# Altium PCB UHF_RFID_PROJECT.PcbDoc (part 1 of 3) (continued)
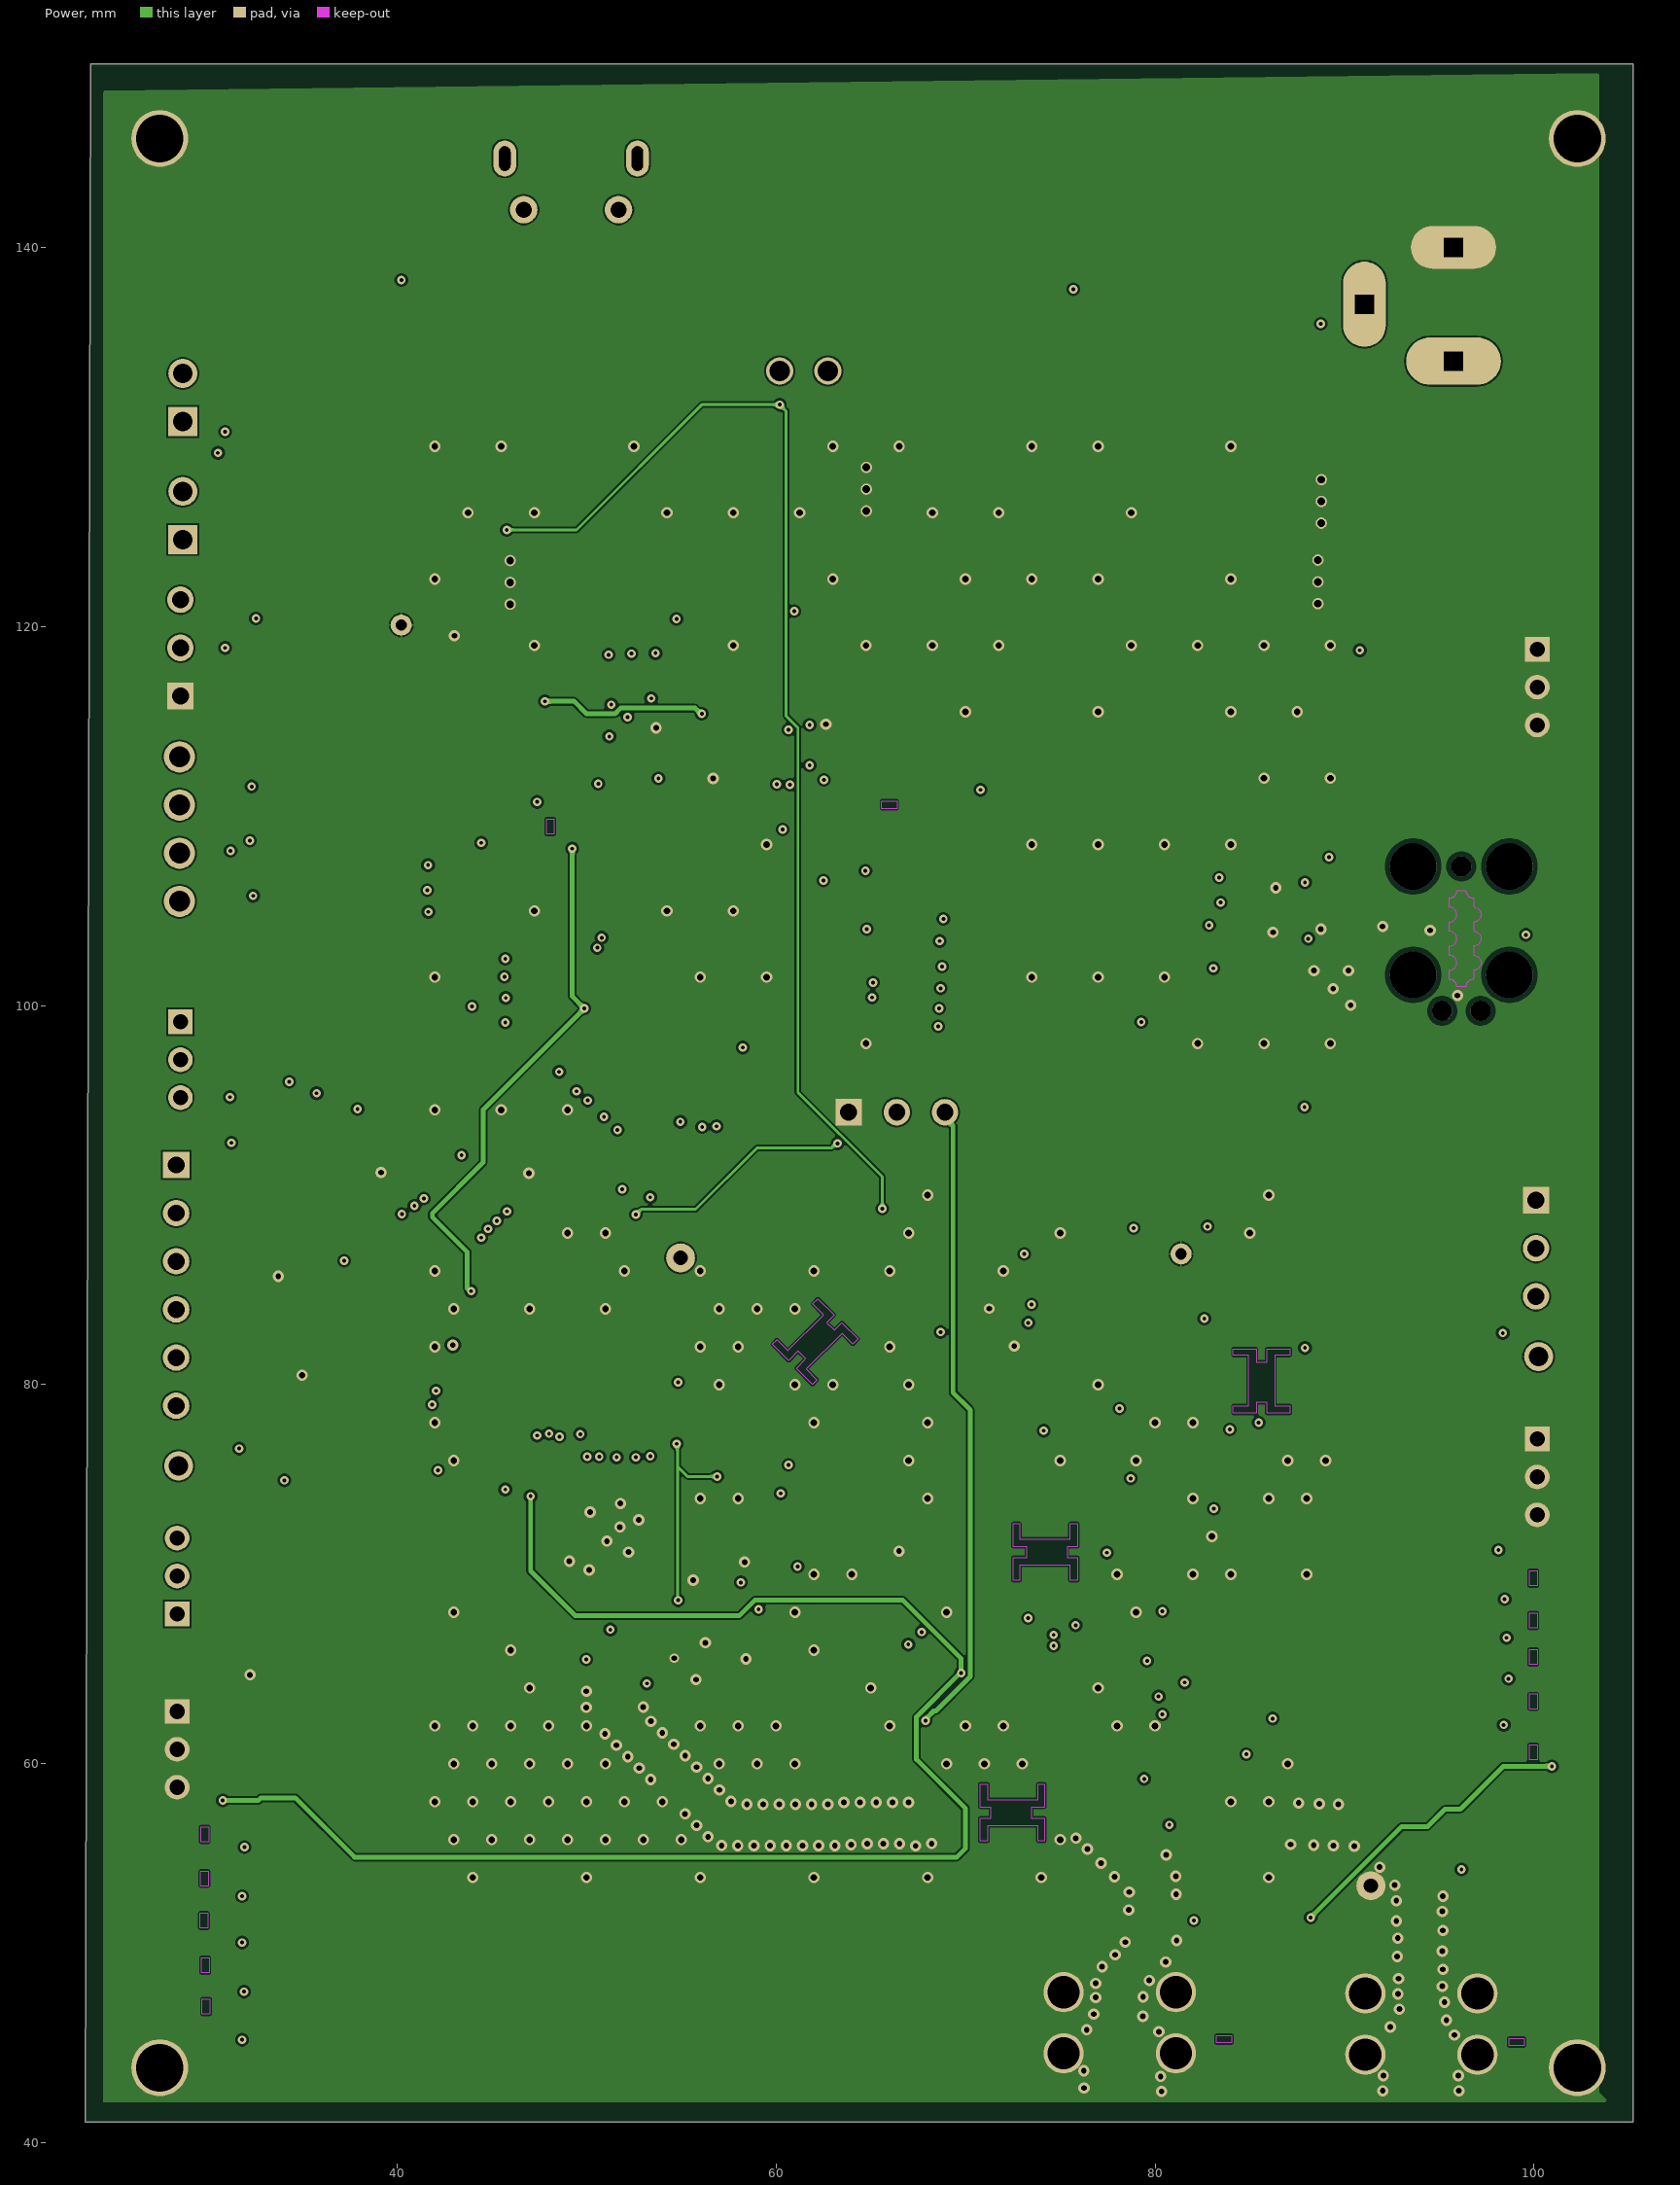
[diagram p3: Power]
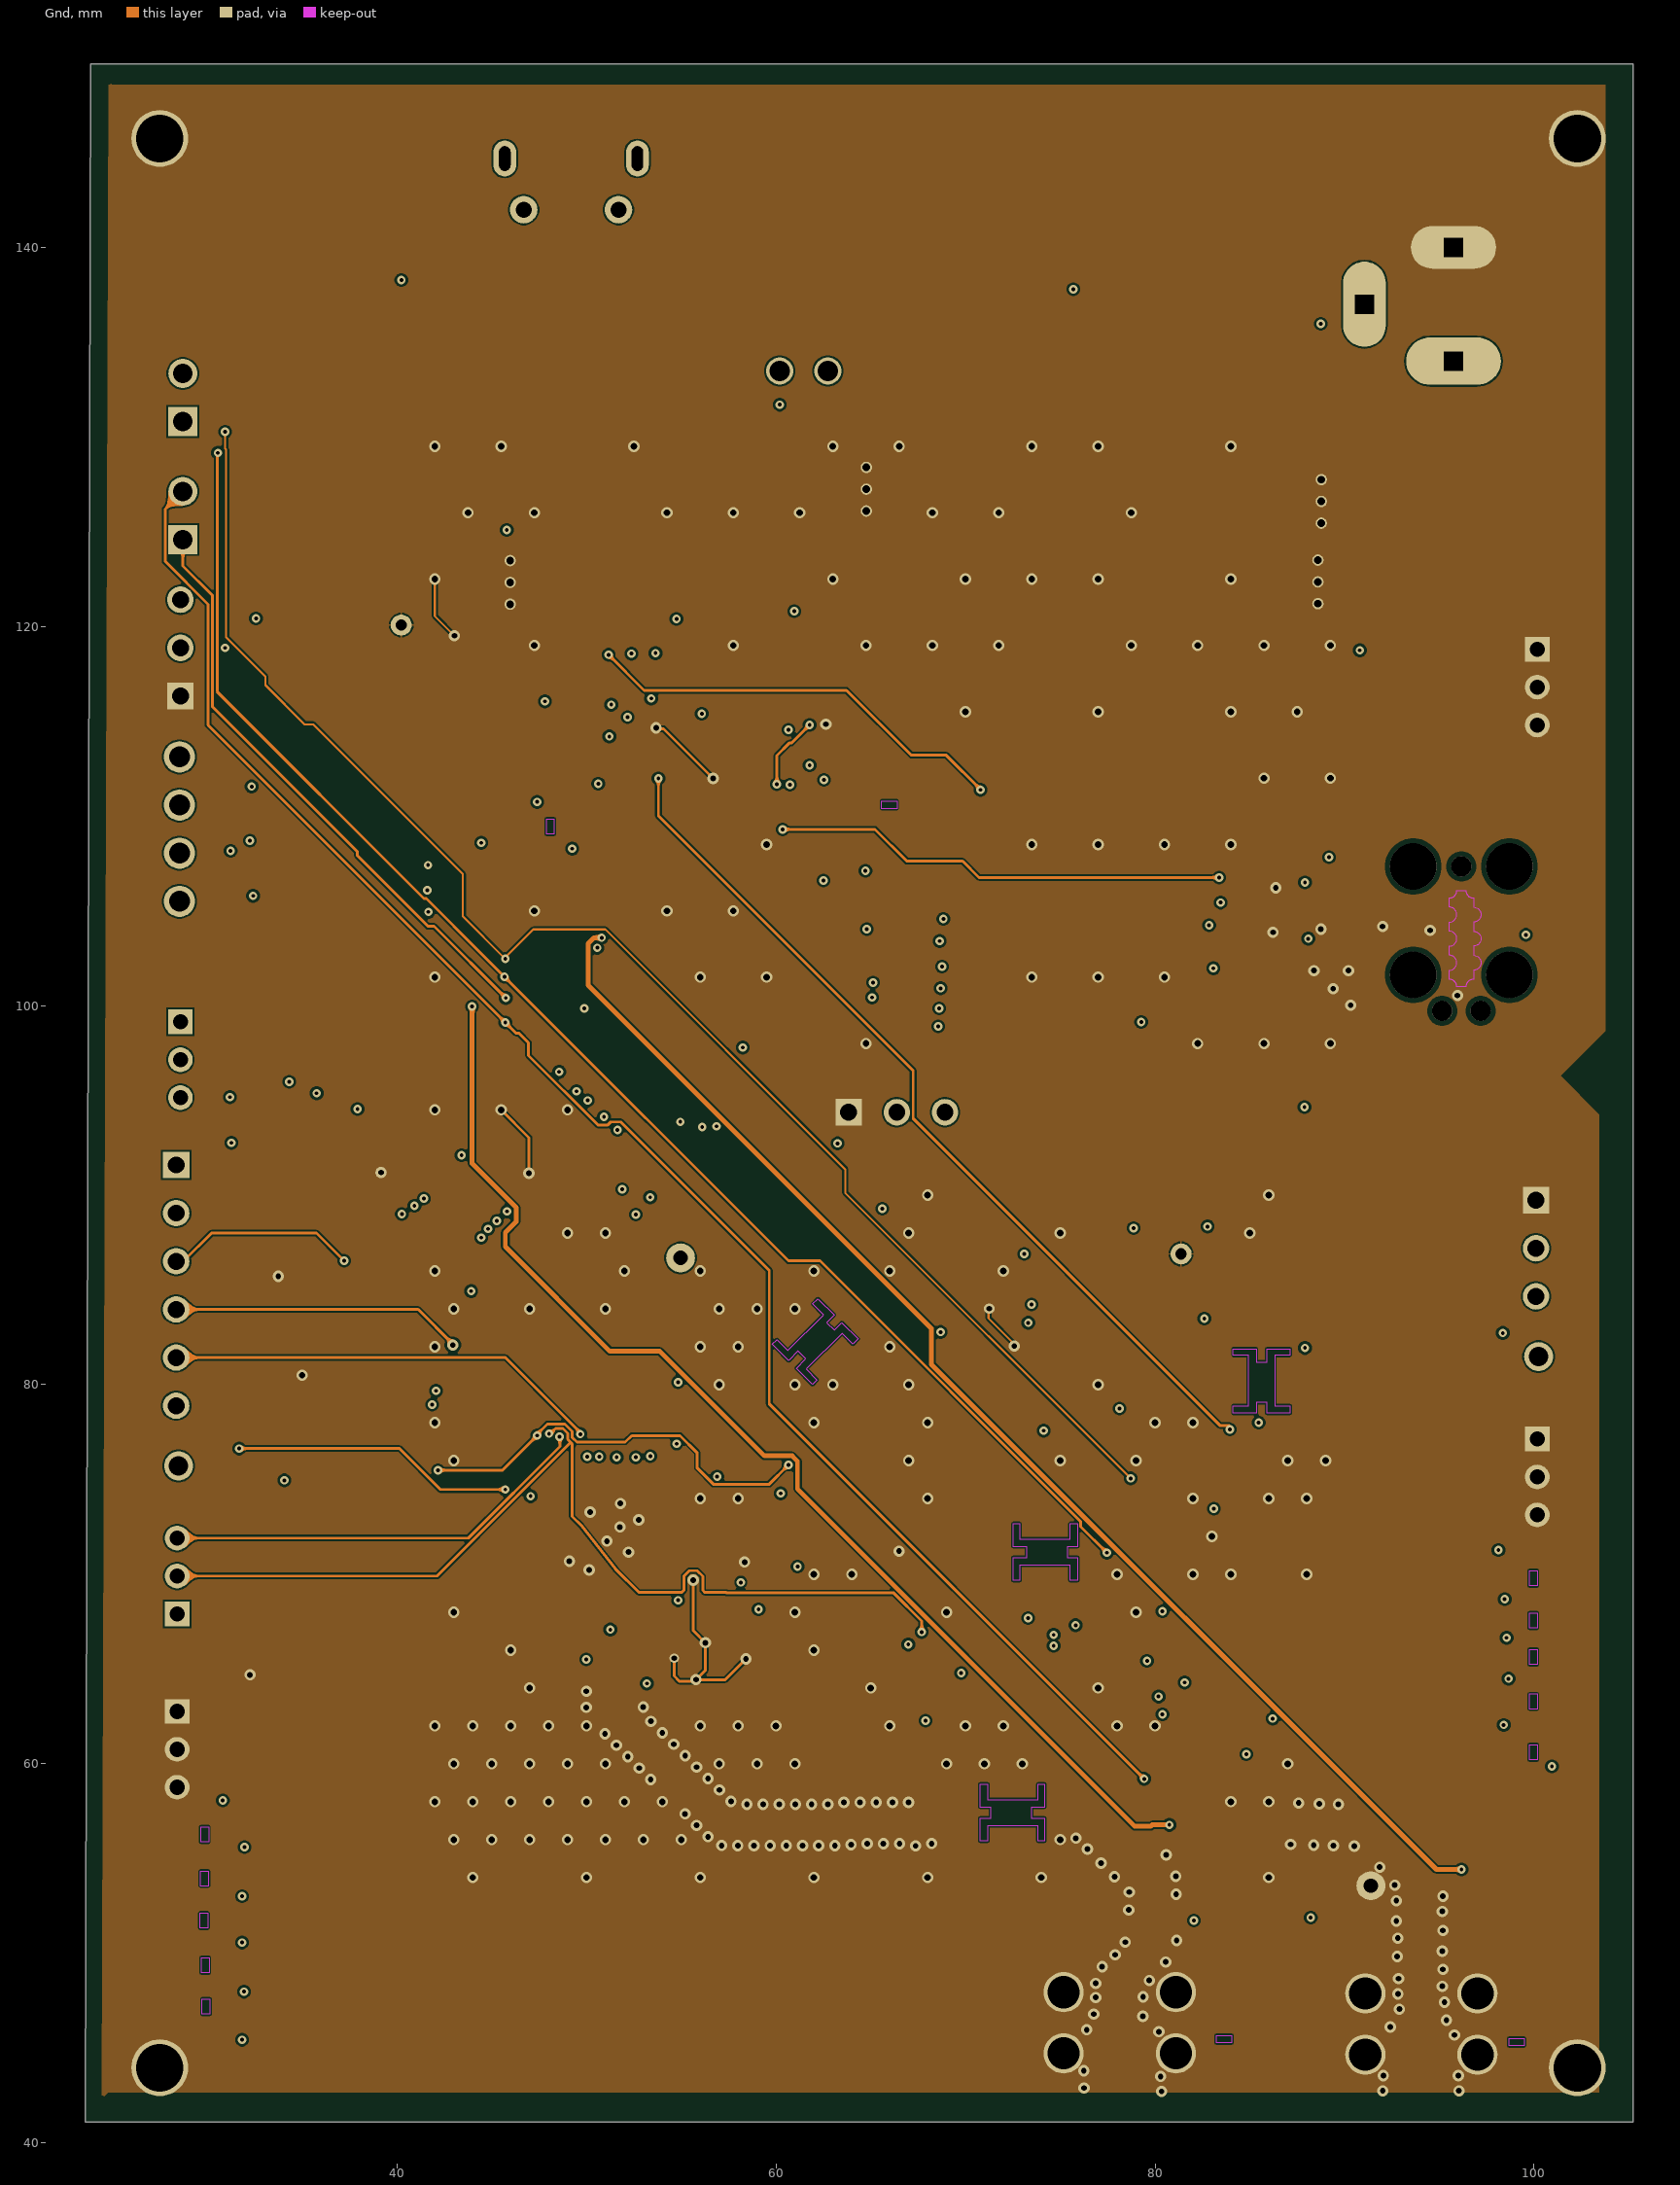
[diagram p4: Gnd]
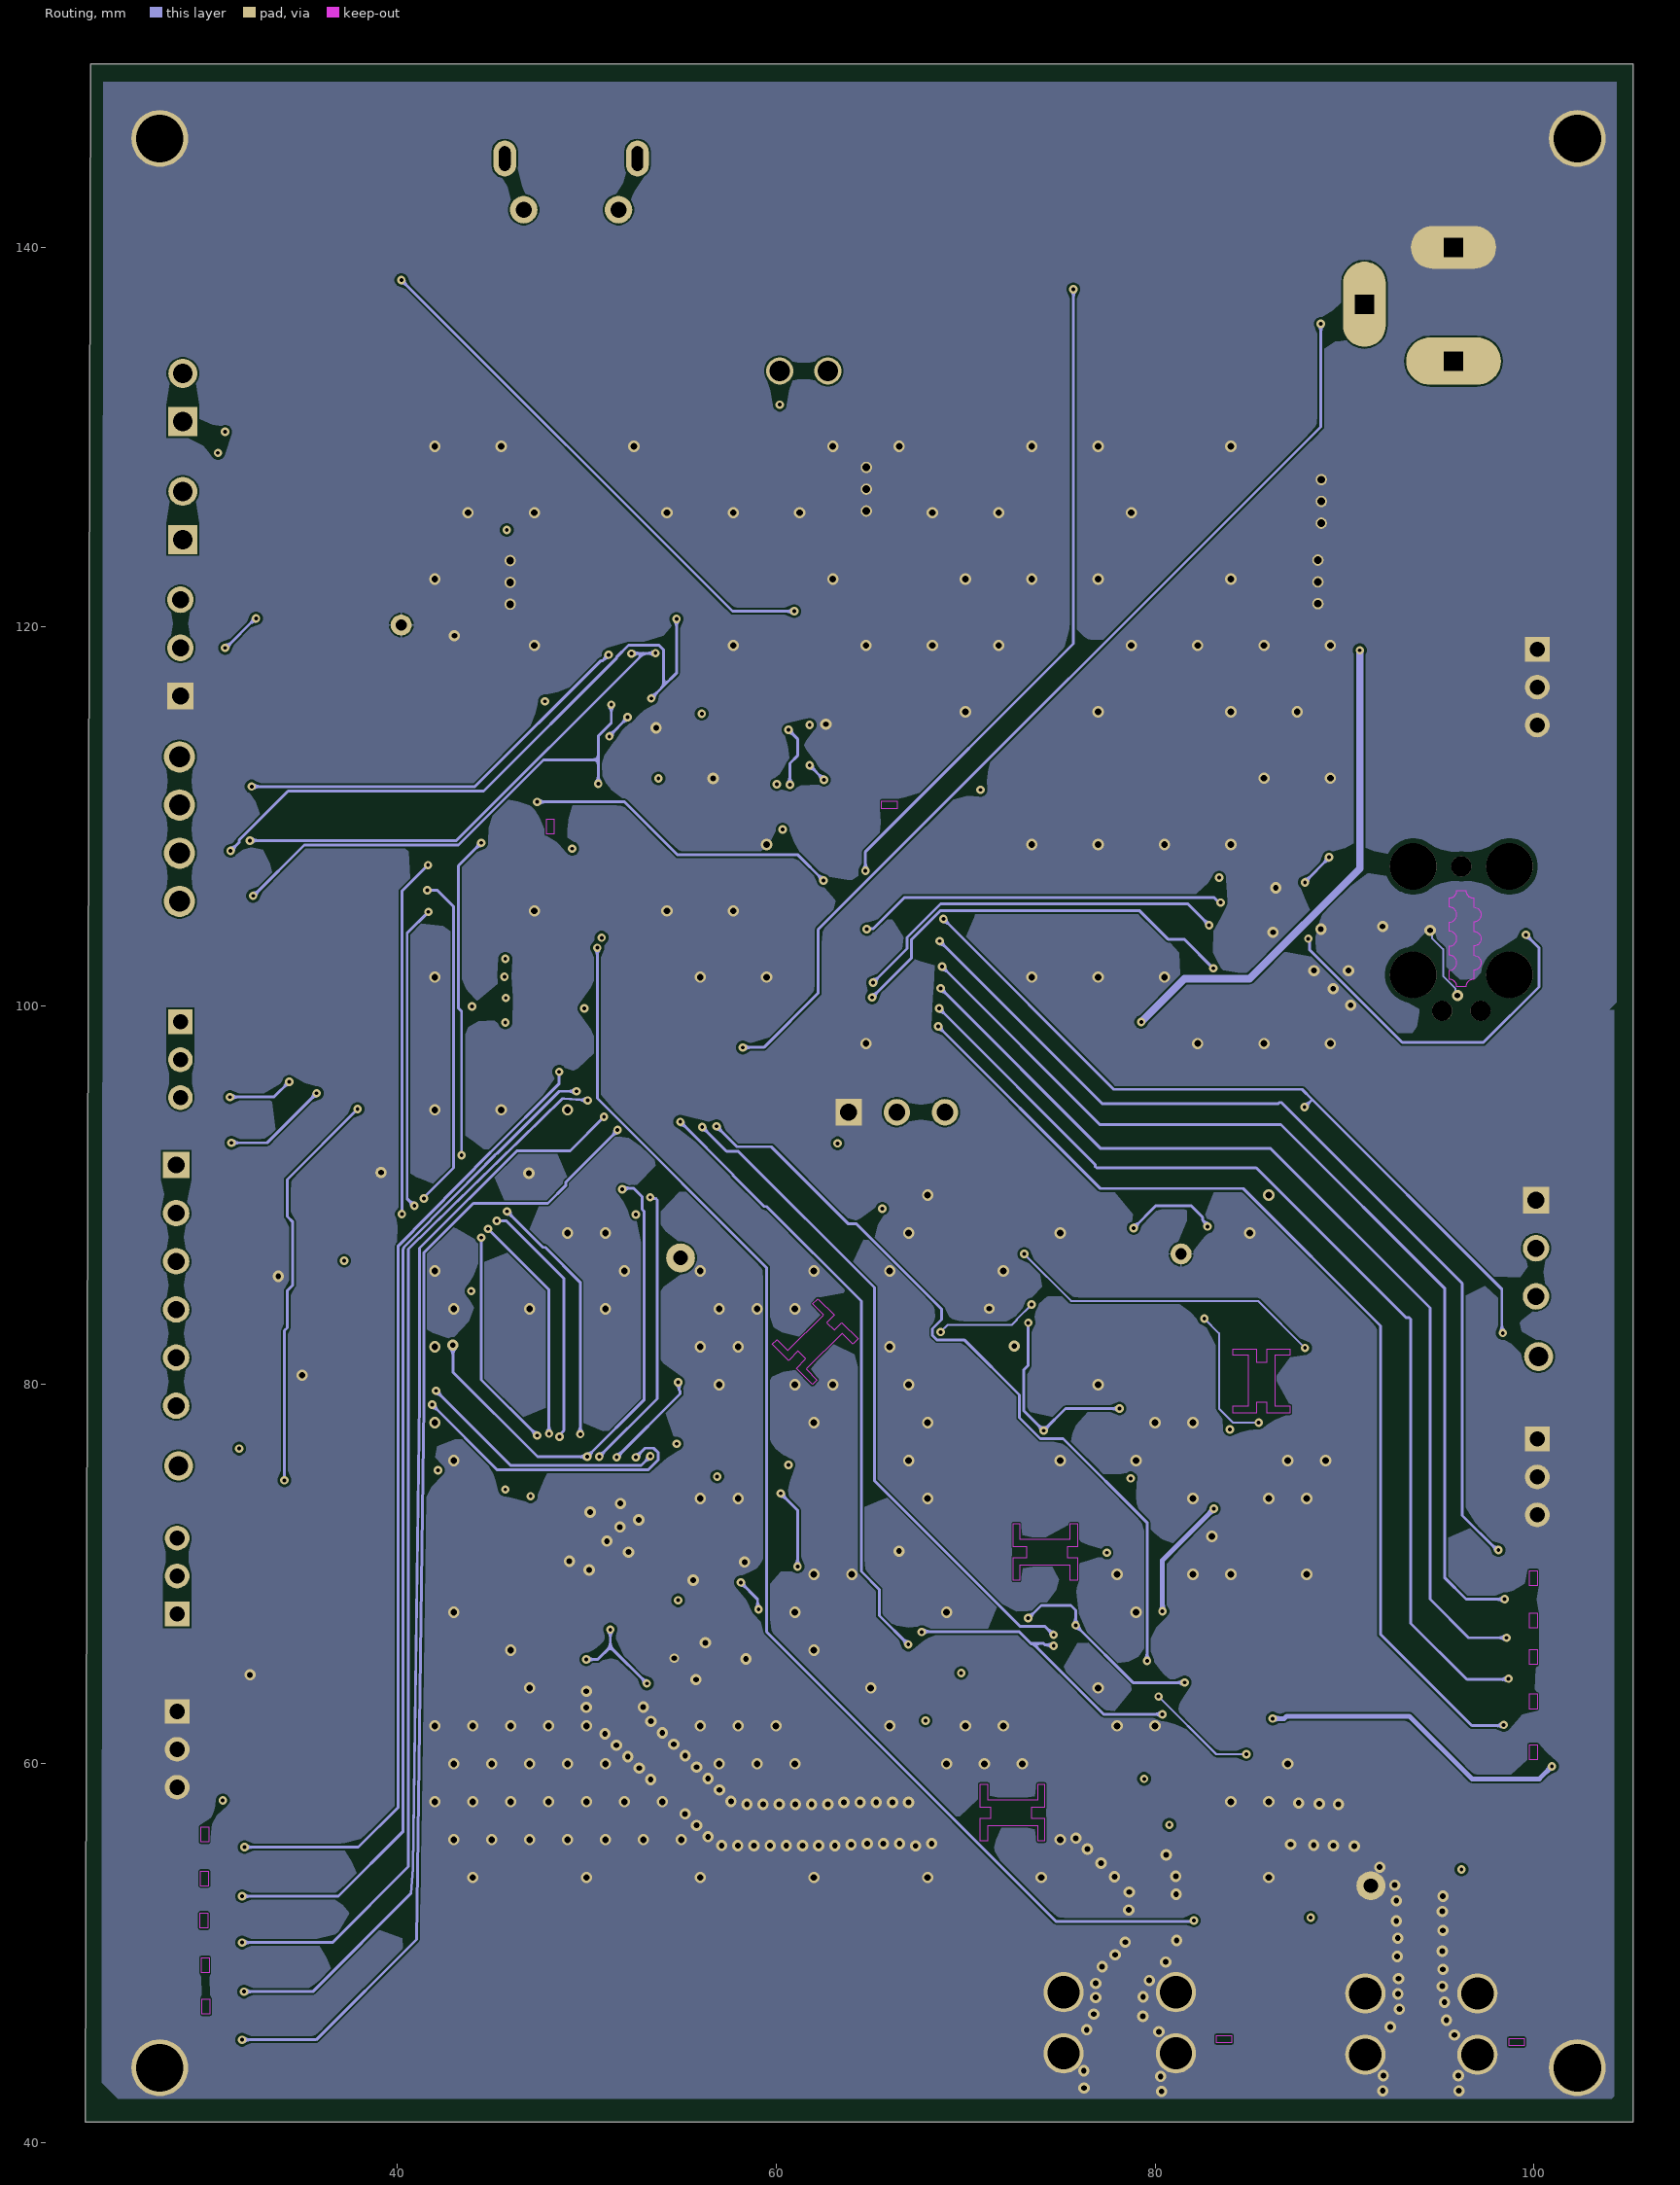
[diagram p5: Routing]

## Layer stack, top to bottom
Top Solder: solder mask 0.0102, Solder Resist, Dk 4.4
Top Layer: signal copper 0.035
Dielectric 4: prepreg 0.2104, PP-006, Dk 4.4
RF_Ground: signal copper 0.018
Dielectric 2: prepreg 0.4, PP-006, Dk 4.4
Power: signal copper 0.018
Dielectric 1: dielectric 0.2028, FR-4, Dk 4.4
Gnd: signal copper 0.018
Dielectric 3: prepreg 0.4, PP-006, Dk 4.4
Routing: signal copper 0.018
Bottom_Gnd: signal copper 0.035
Bottom Solder: solder mask 0.0102, Solder Resist, Dk 4.4

## Board outline
105.232,149.682 23.845,149.682 23.552,41.097 105.232,41.097

## Design rules (kind name [scope] priority, off if disabled: settings)
BoardOutlineClearance [All] p1: gap=0.2 ignorepadtopadclearanceinfootprint=FALSE
Clearance [All] p1: gap=0.089 ignorepadtopadclearanceinfootprint=FALSE except(0.127: Arc-Via Track-Via SMDPad-Via THPad-Via Via-Via Via-Fill Via-Poly Via-Region Via-Text; 0.25: Arc-Hole Track-Hole SMDPad-Hole THPad-Hole Via-Hole Fill-Hole Poly-Hole Region-Hole Text-Hole)
ComponentClearance [All] p1: gap=0.089 collisioncheckmode=3 verticalgap=0.089 showdistances=TRUE
DiffPairsRouting [All] p1: maxlimit=0.127 minlimit=0.127 mostfreqgap=0.127 toplayer_minwidth=0.1 toplayer_maxwidth=1 toplayer_prefwidth=0.12 midlayer1_minwidth=0.1 midlayer1_maxwidth=1 midlayer1_prefwidth=0.12 midlayer2_minwidth=0.1 midlayer2_maxwidth=1 midlayer2_prefwidth=0.12 midlayer3_minwidth=0.1 midlayer3_maxwidth=1 midlayer3_prefwidth=0.12 midlayer4_minwidth=0.1 midlayer4_maxwidth=1 midlayer4_prefwidth=0.12 bottomlayer_minwidth=0.1 bottomlayer_maxwidth=1 bottomlayer_prefwidth=0.12 maxuncoupledlength=12.7
Height [All] p1: minheight=0 maxheight=1816.048 prefheight=12.7
HoleSize [All] p1: absolutevalues=TRUE maxlimit=6.3 minlimit=0.2 maxpercent=80.000 minpercent=20.000
HoleToHoleClearance [All] p1: gap=0.25 allowstackedmicrovias=FALSE
MinimumAnnularRing [All] p1: minimumring=0.076
MinimumSolderMaskSliver [All] p1: minsoldermaskwidth=0
PlaneClearance [All] p1: clearance=0.089
PlaneConnect PlaneConnectPowerPads [InPadClass('PowerPads')] p1: planeconnectstyle=Direct reliefexpansion=0.508 reliefentries=4 reliefconductorwidth=0.254 reliefairgap=0.254
PlaneConnect [All] p2: pad.planeconnectstyle=Relief pad.reliefexpansion=0.3 pad.reliefentries=4 pad.reliefconductorwidth=0.089 pad.reliefairgap=0.089 via.planeconnectstyle=Direct via.reliefexpansion=0.3 via.reliefentries=4 via.reliefconductorwidth=0.127 via.reliefairgap=0.127
PolygonConnect PolygonConnectPowerPads [All vs (InPadClass('PowerPads'))] p1: connectstyle=Direct reliefconductorwidth=0.254 reliefentries=4 polygonreliefangle="90 Angle" airgapwidth=0.254
PolygonConnect [All] p2: thpad.connectstyle=Relief thpad.reliefconductorwidth=0.089 thpad.reliefentries=4 thpad.polygonreliefangle="90 Angle" thpad.airgapwidth=0.089 smdpad.connectstyle=Relief smdpad.reliefconductorwidth=0.089 smdpad.reliefentries=4 smdpad.polygonreliefangle="90 Angle" smdpad.airgapwidth=0.089 via.connectstyle=Direct via.reliefconductorwidth=0.127 via.reliefentries=4 via.polygonreliefangle="90 Angle" via.airgapwidth=0.127
RoutingVias RoutingVias_GND_RF [InNet('GND')] p1: holewidth=0.3 width=0.4 viastyle="Through Hole" minholewidth=0.3 minwidth=0.4 maxholewidth=0.711 maxwidth=1.27
RoutingVias [All] p2: holewidth=0.2 width=0.45 viastyle="Through Hole" minholewidth=0.2 minwidth=0.45 maxholewidth=6.3 maxwidth=6.55
SilkToSilkClearance [All] p1: silktosilkclearance=0
SilkToSolderMaskClearance [IsPad] p1: minsilkscreentomaskgap=0.089 clearancetoexposedcopper=TRUE
SolderMaskExpansion [All] p1: expansion=0.075 istentingtop=FALSE
Width Width_1 [InNet('NetC35_2')] p1: maxlimit=0.999 minlimit=0.254 preferedwidth=0.254 toplayer_prefwidth=0.5 midlayer1_maxwidth=0.254 midlayer2_maxwidth=0.254 midlayer3_maxwidth=0.254 midlayer4_maxwidth=0.254 bottomlayer_maxwidth=0.254 minimp=50.000000 maximp=50.000000 favimp=50.000000
Width [All] p2: maxlimit=1816.048 minlimit=0.1 preferedwidth=0.15 minimp=50.000000 maximp=50.000000 favimp=50.000000
20 further rules are at their usual default settings.

## Classes and differential pairs
net class RF_100: IN_N IN_P RFO_N RFO_P RX_N RX_P TX_N TX_P
net class RF_50: GND LP_FILTER_IN LP_FILTER_OUT NetC32_1 NetC35_1 NetC35_2 NetC36_1 NetC36_2 NetC37_1 NetC37_2 NetC107_1 NetC107_2 NetC108_1 NetC108_2 NetC109_2 NetC112_1 NetC112_2 NetJ1_A NetJ1_C NetJ3_A NetJ3_C NetL12_2 NetR22_2 NetR23_2 NetR24_2 NetT2_1 "PA OUT"
differential pair class TX: TX
differential pair class RX: RX
differential pair class RFO: RFO
differential pair class IN: IN
differential pair class D_ESD: D_ESD
differential pair class D_CON: D_CON
differential pair class D_CMC: D_CMC
component class USB_interface: C23 C30 C33 C96 C97 C98 C99 C100 C101 C102 C103 D20 D21 FB7 P1 P2 R6 R41 R47 R86 R89 T8 U13 U14
component class "RFID reader": C1 C3 C4 C5 C6 C7 C12 C13 C14 C32 C34 C50 C51 C52 C54 C55 C56 C57 C58 C59 C60 C61 C62 C63 C64 C65 C66 C67 C69 C71 C72 C73 C74 C75 C76 C77 C78 C79 C80 C81 C82 C83 C84 C85 C86 C88 C89 C90 C91 C92 C93 C94 C110 C111 FB1 FB4 FB5 J9 L1 L2 L3 L4 L10 L15 R33 R54 R55 T3 T5 U4 U5 X3
component class Mechanical: SHIELD1
component class "External interfaces": D22 D23 D24 D25 D26 D27 D28 D29 D30 D31 D32 D33 D34 D35 D36 D37 D38 D45 D47 D48 D49 D50 D52 J2 J4 J7 J8 J10 J11 J12 J13 J15 J30 J31 P3 R4 R5 R19 R42 R46 TP1 TP2 TP3 TP4
component class Designator: C15 C16 C17 C20 C70 C104 C105 C107 C108 C109 J1 J6 R10 R20 R21 R22 R23 R24 R25 R45 S1 T1 T2 U2 U3
component class DC_Supply: C21 C22 C24 C38 C40 C41 C42 C43 C44 C46 C47 C48 C49 C106 FB2 J5 J14 J20 J21 R1 R2 R3 R27 R28 R29 R30 R31 R32 R44 U9 U10 U11
component class controller: B1 B2 BZ1 C2 C8 C9 C10 C11 C25 C26 C27 C28 C29 C31 D1 D2 D3 D4 D5 D6 D7 D8 D9 D10 D11 D12 D13 D15 D16 D17 extPA FB3 intPA "MCU OK" "NO TAG RESP" "OSC OK" "PLL OK" R7 R8 R9 R11 R12 R13 R14 R15 R16 R17 R18 R36 R37 R38 R39 R40 R43 R50 R51 R52 R53 R56 R57 R58 R61 R64 R65 R66 R81 R82 R83 R90 R91 R92 R93 "RF ON" "TAG CRC ERROR" "TAG Found" TP14 TP15 TUNED TUNING Tuning U1A X1
component class "Carrier Cancellation Circuit": C18 C19 C37 C53 C68 C87 C95 J3 L11 L12 R26 R34 R35 T4 T6 U6 U7 U8
component class "Antenna Switch": C35 C36 C112 P4 P5 S2
differential pair TX: +TX_P -TX_N
differential pair RX: +RX_P -RX_N
differential pair RFO: +RFO_P -RFO_N
differential pair IN: +IN_P -IN_N
differential pair D_ESD: +D_ESD_P -D_ESD_N
differential pair D_CON: +D_CON_P -D_CON_N
differential pair D_CMC: +D_CMC_P -D_CMC_N

## Components (designator, comment, footprint, x,y, rotation, side; value= is the part's Value field where it differs from the comment)
B1 "RESET" SW_TL3301AF160QG 31.521,140.157 r180 top
B2 "Boot" SW_TL3301AF160QG 41.25,113.125 r0 top
BZ1 "BUZZER" SPKR_PKMCS0909E4000-R1 81.661,140.03 r0 top
C1 "1p2F" CAPC1005X55N 58.776,70.917 r270 top
C2 "0.47uF" FP-NFM18-0_1-e0_05_0_35-MFG#1 59.6,113.15 r0 top
C3 "1p2F" CAPC1005X55N 58.776,73 r90 top
C4 "15pF" CAPC1005X55N 61.849,71.298 r0 top
C5 "15pF" CAPC1005X55N 61.824,72.542 r0 top
C6 "5p6F" CAPC1005X55N 65.964,71.222 r180 top
C7 "5p6F" CAPC1005X55N 65.939,72.517 r0 top
C8 "0.47uF" FP-NFM18-0_1-e0_05_0_35-MFG#2 54.775,113.95 r0 top
C9 "4p7F" CAPC1005X55N 60.157,115.55 r0 top
C10 "4p7F" CAPC1005X55N 62.282,115.55 r180 top
C11 "10uF" 2917(POL) 67.425,119.745 r90 top
C12 "120pF" CAPC0603X33N 59.639,69.064 r90 top
C13 "2u2F" CAPC0603X35N 57.15,66.836 r180 top
C14 "120pF" CAPC0603X33N 60.604,69.037 r270 top
C15 "2u2F" CAPC0603X35N 81.45,76.197 r90 top
C16 "0.47uF" FP-NFM18-0_1-e0_05_0_35-MFG#1 71.527,79.409 r90 top
C17 "2n2F" CAPC1005X55N 87.575,72.15 r270 top
C18 "2u2F" CAPC0603X35N 70.501,65.072 r90 top
C19 "2u2F" CAPC0603X35N 85.57,62.345 r90 top
C20 "10uF" 2917(POL) 77.578,80.425 r180 top
C21 "1uF" FIL_NFM21PC105B1A3D 88.775,126.6 r180 top
C22 "1uF" FIL_NFM21PC105B1A3D 88.595,122.352 r0 top
C23 "6u8F" 2917(POL) 57.81,125.527 r270 top
C24 "2u2F" CAPC0603X35N 92.035,122.578 r270 top
C25 "100nF" CAPC1005X55N 38.675,138.325 r90 top
C26 "2u2F" CAPC0603X35N 56.525,113.978 r270 top
C27 "100nF" CAPC0510X35N 50.725,107.887 r270 top
C28 "100nF" CAPC0510X35N 50.698,101.362 r270 top
C29 "100nF" CAPC0510X35N 61.417,97.459 r0 top
C30 "2u2F" CAPC0603X35N 48.275,121.703 r90 top
C31 "100nF" CAPC0510X35N 65.726,108.39 r90 top
C32 "82pF" CAPC1005X55N 69.393,76.149 r180 top
C33 "2u2F" CAPC0603X35N 56.6,117.95 r180 top
C34 "30pF" CAPC0603X33N 51.842,76.869 r180 top
C35 "82pF" CAPC1005X55N 86.607,56.775 r0 top
C36 "82pF" CAPC1005X55N 76.962,57.531 r225 top
C37 "3p6F" CAPC1005X55N 78.003,63.398 r270 top
C38 "2u2F" CAPC1005X55N 42.675,120.6 r90 top
C39 "0.47uF" FP-NFM18-0_1-e0_05_0_35-MFG#1 44.15,119.6 r90 top
C40 "2u2F" CAPC1005X55N 37.7,119.643 r270 top
C41 "0.47uF" FP-NFM18-0_1-e0_05_0_35-MFG#1 36.125,119.875 r90 top
C42 "2u2F" CAPC1005X55N 62.383,88.045 r90 top
C43 "0.47uF" FP-NFM18-0_1-e0_05_0_35-MFG#3 64.415,88.007 r270 top
C44 "2u2F" CAPC1005X55N 56.515,87.325 r90 top
C45 "0.47uF" FP-NFM18-0_1-e0_05_0_35-MFG#1 54.229,88.398 r180 top
C46 "2u2F" CAPC1005X55N 78.8,86.875 r90 top
C47 "0.47uF" FP-NFM18-0_1-e0_05_0_35-MFG#1 77.3,86.625 r90 top
C48 "2u2F" CAPC1005X55N 84,85.25 r90 top
C49 "0.47uF" FP-NFM18-0_1-e0_05_0_35-MFG#3 86.375,85.025 r270 top
C50 "100nF" CAPC1005X55N 45.492,84.362 r270 top
C51 "220nF" CAPC1005X55N 52.477,79.612 r90 top
C52 "2u2F" CAPC0603X35N 51.86,78.012 r180 top
C53 "120pF" CAPC0603X33N 71.5,65.081 r90 top
C54 "82pF" CAPC1005X55N 58.573,77.377 r225 top
C55 "3n9F" CAPC1005X55N 43.425,64.443 r90 top
C56 "150pF" CAPC1005X55N 43.231,66.624 r90 top
C57 "120pF" CAPC0603X33N 60.909,65.253 r270 top
C58 "120pF" CAPC0603X33N 53.647,78.012 r0 top
C59 "2u2F" CAPC0603X35N 44.45,77.071 r0 top
C60 "120pF" CAPC0603X33N 44.454,76.182 r0 top
C61 "2u2F" CAPC0603X35N 44.45,75.293 r0 top
C62 "120pF" CAPC0603X33N 44.454,74.404 r0 top
C63 "2u2F" CAPC0603X35N 44.45,73.515 r0 top
C64 "120pF" CAPC0603X33N 44.454,72.626 r0 top
C65 "82pF" CAPC1005X55N 57.1,78.825 r45 top
C66 "2u2F" CAPC0603X35N 56.218,68.377 r90 top
C67 "100nF" CAPC0510X35N 57.513,68.344 r90 top
C68 "120pF" CAPC0603X33N 84.554,62.354 r90 top
C69 "100nF" CAPC0510X35N 46.076,77.191 r270 top
C70 "120pF" CAPC0603X33N 82.525,76.194 r90 top
C71 "2u2F" CAPC0603X35N 44.457,70.561 r0 top
C72 "30pF" CAPC0603X33N 44.448,71.628 r0 top
C73 "2u2F" CAPC0603X35N 44.475,68.478 r0 top
C74 "30pF" CAPC0603X33N 44.45,69.52 r0 top
C75 "2u2F" CAPC0603X35N 44.65,67.175 r0 top
C76 "120pF" CAPC0603X33N 44.625,66.15 r0 top
C77 "100nF" CAPC0510X35N 59.825,66.712 r90 top
C78 "2u2F" CAPC0603X35N 58.5,66.7 r90 top
C79 "10nF" CAPC0603X33N 46.975,66.45 r90 top
C80 "10nF" CAPC0603X33N 47.875,66.456 r90 top
C81 "10nF" CAPC0603X33N 48.825,66.45 r90 top
C82 "10nF" CAPC0603X33N 49.825,66.45 r90 top
C83 "100nF" CAPC0510X35N 52.375,65.575 r180 top